# KiCad board homebrew_486.kicad_pcb (continued)
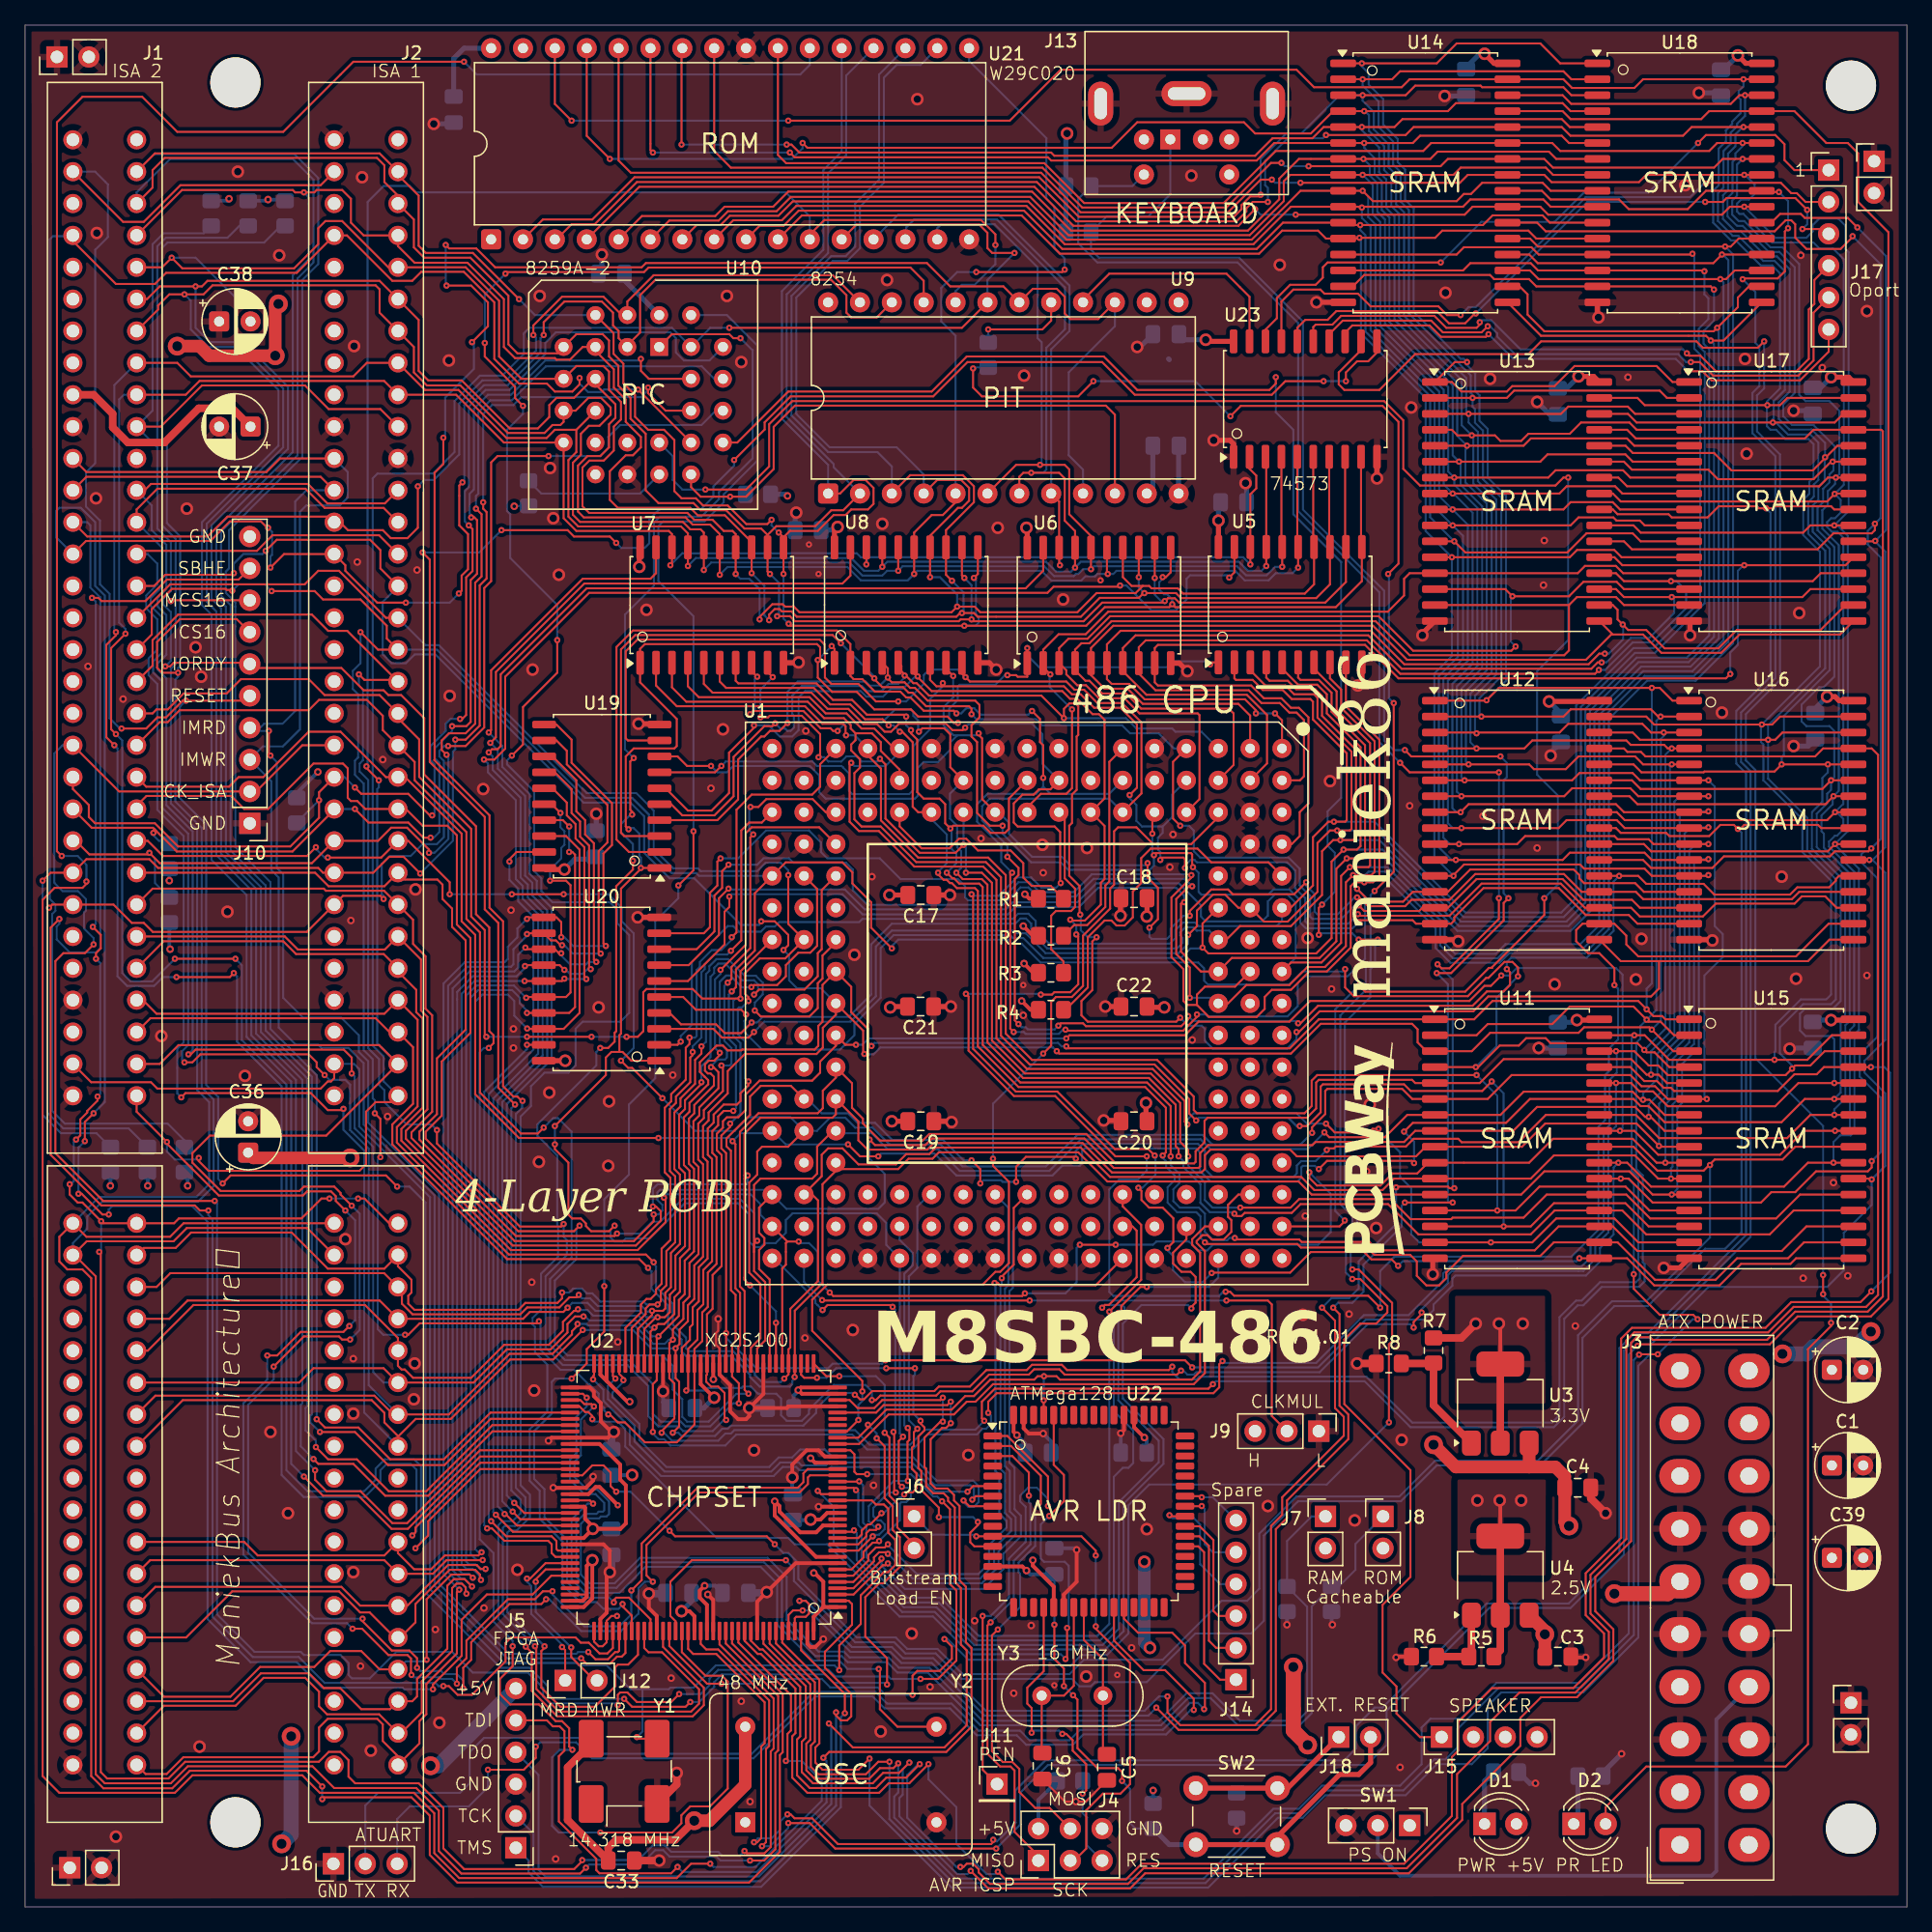
[diagram p0: board, top side]
## Footprints (pads in the part's own frame, mm; a bottom-side part is the same pattern mirrored in y, then rotated) (continued)
LED_D4.0mm
  rect 1.8x1.8 hole 0.9: 1(0,0)
  round 1.8 hole 0.9: 2(2.54,0)
Molex_Mini-Fit_Jr_5566-20A_2x10_P4.20mm_Vertical
  rrect 2.7x3.3 hole 1.4: 1(0,0)
  oval 2.7x3.3 hole 1.4: 2(4.2,0) 3(8.4,0) 4(12.6,0) 5(16.8,0) 6(21,0) 7(25.2,0) 8(29.4,0) 9(33.6,0) 10(37.8,0) 11(0,-5.5) 12(4.2,-5.5) 13(8.4,-5.5) 14(12.6,-5.5) 15(16.8,-5.5) 16(21,-5.5) 17(25.2,-5.5) 18(29.4,-5.5) 19(33.6,-5.5) 20(37.8,-5.5)
MountingHole_4mm
  round 4 hole 4 unplated: (0,0)
Oscillator_DIP-14
  rect 1.6x1.6 hole 0.8: 1(0,0)
  round 1.6 hole 0.8: 7(15.24,0) 8(15.24,7.62) 14(0,7.62)
Oscillator_SMD_SeikoEpson_SG8002CA-4Pin_7.0x5.0mm_HandSoldering
  rrect 1.98x3 smd: 1(-2.63,-2.6) 2(2.63,-2.6) 3(2.63,2.6) 4(-2.63,2.6)
PinHeader_1x01_P2.54mm_Vertical
  rect 1.7x1.7 hole 1: 1(0,0)
PinHeader_1x02_P2.54mm_Vertical
  rect 1.7x1.7 hole 1: 1(0,0)
  round 1.7 hole 1: 2(0,-2.54)
PinHeader_1x03_P2.54mm_Vertical
  rect 1.7x1.7 hole 1: 1(0,0)
  round 1.7 hole 1: 2(0,-2.54) 3(0,-5.08)
PinHeader_1x04_P2.54mm_Vertical
  rect 1.7x1.7 hole 1: 1(0,0)
  round 1.7 hole 1: 2(0,-2.54) 3(0,-5.08) 4(0,-7.62)
PinHeader_1x06_P2.54mm_Vertical
  rect 1.7x1.7 hole 1: 1(0,0)
  round 1.7 hole 1: 2(0,-2.54) 3(0,-5.08) 4(0,-7.62) 5(0,-10.16) 6(0,-12.7)
PinHeader_1x10_P2.54mm_Vertical
  rect 1.7x1.7 hole 1: 1(0,0)
  round 1.7 hole 1: 2(0,-2.54) 3(0,-5.08) 4(0,-7.62) 5(0,-10.16) 6(0,-12.7) 7(0,-15.24) 8(0,-17.78) 9(0,-20.32) 10(0,-22.86)
PinHeader_2x03_P2.54mm_Vertical
  rect 1.7x1.7 hole 1: 1(0,0)
  round 1.7 hole 1: 2(2.54,0) 3(0,-2.54) 4(2.54,-2.54) 5(0,-5.08) 6(2.54,-5.08)
PLCC-28_THT-Socket
  rect 1.422x1.422 hole 0.8: 1(0,0)
  round 1.422 hole 0.8: 2(-2.54,2.54) 3(-2.54,0) 4(-5.08,2.54) 5(-7.62,0) 6(-5.08,0) 7(-7.62,-2.54) 8(-5.08,-2.54) 9(-7.62,-5.08) 10(-5.08,-5.08) 11(-7.62,-7.62) 12(-5.08,-10.16) 13(-5.08,-7.62) 14(-2.54,-10.16) 15(-2.54,-7.62) 16(0,-10.16) 17(0,-7.62) 18(2.54,-10.16) 19(5.08,-7.62) 20(2.54,-7.62) 21(5.08,-5.08) 22(2.54,-5.08) 23(5.08,-2.54) 24(2.54,-2.54) 25(5.08,0) 26(2.54,2.54) 27(2.54,0) 28(0,2.54)
R_0805_2012Metric_Pad1.20x1.40mm_HandSolder
  rrect 1.2x1.4 smd: 1(-1,0) 2(1,0)
SOP-20_7.5x12.8mm_P1.27mm
  rrect 1.9x0.6 smd: 1(-4.6,5.715) 2(-4.6,4.445) 3(-4.6,3.175) 4(-4.6,1.905) 5(-4.6,0.635) 6(-4.6,-0.635) 7(-4.6,-1.905) 8(-4.6,-3.175) 9(-4.6,-4.445) 10(-4.6,-5.715) 11(4.6,-5.715) 12(4.6,-4.445) 13(4.6,-3.175) 14(4.6,-1.905) 15(4.6,-0.635) 16(4.6,0.635) 17(4.6,1.905) 18(4.6,3.175) 19(4.6,4.445) 20(4.6,5.715)
SOP-32_11.305x20.495mm_P1.27mm
  rrect 2.05x0.6 smd: 1(-6.55,9.525) 2(-6.55,8.255) 3(-6.55,6.985) 4(-6.55,5.715) 5(-6.55,4.445) 6(-6.55,3.175) 7(-6.55,1.905) 8(-6.55,0.635) 9(-6.55,-0.635) 10(-6.55,-1.905) 11(-6.55,-3.175) 12(-6.55,-4.445) 13(-6.55,-5.715) 14(-6.55,-6.985) 15(-6.55,-8.255) 16(-6.55,-9.525) 17(6.55,-9.525) 18(6.55,-8.255) 19(6.55,-6.985) 20(6.55,-5.715) 21(6.55,-4.445) 22(6.55,-3.175) 23(6.55,-1.905) 24(6.55,-0.635) 25(6.55,0.635) 26(6.55,1.905) 27(6.55,3.175) 28(6.55,4.445) 29(6.55,5.715) 30(6.55,6.985) 31(6.55,8.255) 32(6.55,9.525)
SOT-223-3_TabPin2
  rrect 2x1.5 smd: 1(-3.15,2.3) 2(-3.15,0) 3(-3.15,-2.3)
  rrect 2x3.8 smd: 2(3.15,0)
SW_PUSH_6mm
  round 2 hole 1.1: 1(0,0) 1(6.5,0) 2(0,-4.5) 2(6.5,-4.5)
TQFP-64_14x14mm_P0.8mm
  rrect 1.475x0.55 smd: 1(-7.662,6) 2(-7.662,5.2) 3(-7.662,4.4) 4(-7.662,3.6) 5(-7.662,2.8) 6(-7.662,2) 7(-7.662,1.2) 8(-7.662,0.4) 9(-7.662,-0.4) 10(-7.662,-1.2) 11(-7.662,-2) 12(-7.662,-2.8) 13(-7.662,-3.6) 14(-7.662,-4.4) 15(-7.662,-5.2) 16(-7.662,-6) 33(7.662,-6) 34(7.662,-5.2) 35(7.662,-4.4) 36(7.662,-3.6) 37(7.662,-2.8) 38(7.662,-2) 39(7.662,-1.2) 40(7.662,-0.4) 41(7.662,0.4) 42(7.662,1.2) 43(7.662,2) 44(7.662,2.8) 45(7.662,3.6) 46(7.662,4.4) 47(7.662,5.2) 48(7.662,6)
  rrect 0.55x1.475 smd: 17(-6,-7.662) 18(-5.2,-7.662) 19(-4.4,-7.662) 20(-3.6,-7.662) 21(-2.8,-7.662) 22(-2,-7.662) 23(-1.2,-7.662) 24(-0.4,-7.662) 25(0.4,-7.662) 26(1.2,-7.662) 27(2,-7.662) 28(2.8,-7.662) 29(3.6,-7.662) 30(4.4,-7.662) 31(5.2,-7.662) 32(6,-7.662) 49(6,7.662) 50(5.2,7.662) 51(4.4,7.662) 52(3.6,7.662) 53(2.8,7.662) 54(2,7.662) 55(1.2,7.662) 56(0.4,7.662) 57(-0.4,7.662) 58(-1.2,7.662) 59(-2,7.662) 60(-2.8,7.662) 61(-3.6,7.662) 62(-4.4,7.662) 63(-5.2,7.662) 64(-6,7.662)
TQFP-144_20x20mm_P0.5mm
  rrect 1.475x0.3 smd: 1(-10.662,8.75) 2(-10.662,8.25) 3(-10.662,7.75) 4(-10.662,7.25) 5(-10.662,6.75) 6(-10.662,6.25) 7(-10.662,5.75) 8(-10.662,5.25) 9(-10.662,4.75) 10(-10.662,4.25) 11(-10.662,3.75) 12(-10.662,3.25) 13(-10.662,2.75) 14(-10.662,2.25) 15(-10.662,1.75) 16(-10.662,1.25) 17(-10.662,0.75) 18(-10.662,0.25) 19(-10.662,-0.25) 20(-10.662,-0.75) 21(-10.662,-1.25) 22(-10.662,-1.75) 23(-10.662,-2.25) 24(-10.662,-2.75) 25(-10.662,-3.25) 26(-10.662,-3.75) 27(-10.662,-4.25) 28(-10.662,-4.75) 29(-10.662,-5.25) 30(-10.662,-5.75) 31(-10.662,-6.25) 32(-10.662,-6.75) 33(-10.662,-7.25) 34(-10.662,-7.75) 35(-10.662,-8.25) 36(-10.662,-8.75) 73(10.662,-8.75) 74(10.662,-8.25) 75(10.662,-7.75) 76(10.662,-7.25) 77(10.662,-6.75) 78(10.662,-6.25) 79(10.662,-5.75) 80(10.662,-5.25) 81(10.662,-4.75) 82(10.662,-4.25) 83(10.662,-3.75) 84(10.662,-3.25) 85(10.662,-2.75) 86(10.662,-2.25) 87(10.662,-1.75) 88(10.662,-1.25) 89(10.662,-0.75) 90(10.662,-0.25) 91(10.662,0.25) 92(10.662,0.75) 93(10.662,1.25) 94(10.662,1.75) 95(10.662,2.25) 96(10.662,2.75) 97(10.662,3.25) 98(10.662,3.75) 99(10.662,4.25) 100(10.662,4.75) 101(10.662,5.25) 102(10.662,5.75) 103(10.662,6.25) 104(10.662,6.75) 105(10.662,7.25) 106(10.662,7.75) 107(10.662,8.25) 108(10.662,8.75)
  rrect 0.3x1.475 smd: 37(-8.75,-10.662) 38(-8.25,-10.662) 39(-7.75,-10.662) 40(-7.25,-10.662) 41(-6.75,-10.662) 42(-6.25,-10.662) 43(-5.75,-10.662) 44(-5.25,-10.662) 45(-4.75,-10.662) 46(-4.25,-10.662) 47(-3.75,-10.662) 48(-3.25,-10.662) 49(-2.75,-10.662) 50(-2.25,-10.662) 51(-1.75,-10.662) 52(-1.25,-10.662) 53(-0.75,-10.662) 54(-0.25,-10.662) 55(0.25,-10.662) 56(0.75,-10.662) 57(1.25,-10.662) 58(1.75,-10.662) 59(2.25,-10.662) 60(2.75,-10.662) 61(3.25,-10.662) 62(3.75,-10.662) 63(4.25,-10.662) 64(4.75,-10.662) 65(5.25,-10.662) 66(5.75,-10.662) 67(6.25,-10.662) 68(6.75,-10.662) 69(7.25,-10.662) 70(7.75,-10.662) 71(8.25,-10.662) 72(8.75,-10.662) 109(8.75,10.662) 110(8.25,10.662) 111(7.75,10.662) 112(7.25,10.662) 113(6.75,10.662) 114(6.25,10.662) 115(5.75,10.662) 116(5.25,10.662) 117(4.75,10.662) 118(4.25,10.662) 119(3.75,10.662) 120(3.25,10.662) 121(2.75,10.662) 122(2.25,10.662) 123(1.75,10.662) 124(1.25,10.662) 125(0.75,10.662) 126(0.25,10.662) 127(-0.25,10.662) 128(-0.75,10.662) 129(-1.25,10.662) 130(-1.75,10.662) 131(-2.25,10.662) 132(-2.75,10.662) 133(-3.25,10.662) 134(-3.75,10.662) 135(-4.25,10.662) 136(-4.75,10.662) 137(-5.25,10.662) 138(-5.75,10.662) 139(-6.25,10.662) 140(-6.75,10.662) 141(-7.25,10.662) 142(-7.75,10.662) 143(-8.25,10.662) 144(-8.75,10.662)

## Nets
+2V5: C1.1 C10.2 C11.2 C12.2 R5.1 U2.9 U2.14 U2.24 U2.55 U2.82 U2.92 U2.97 U2.125 U4.2
+3.3V: C2.1 C13.2 C14.2 C15.2 C16.2 R7.1 U2.1 U2.16 U2.35 U2.36 U2.53 U2.70 U2.71 U2.90 U2.106 U2.107 U2.108 U2.109 U2.111 U2.127 U2.144 U3.2
+5V: C3.1 C4.1 C8.2 C9.2 C17.2 C18.2 C19.2 C20.2 C21.2 C22.2 C23.2 C24.2 C25.2 C26.2 C27.2 C28.2 C29.2 C30.2 C31.2 C32.2 C33.2 C34.2 C35.2 C36.1 C39.1 C40.2 C41.2 C42.2 D1.2 J1.3 J1.19 J1.29 J1.78 J2.3 J2.19 J2.29 J2.78 J3.4 J3.6 J3.19 J3.20 J4.2 J5.6 J7.2 J8.2 J9.3 J13.4 J15.4 R1.1 R2.1 R3.1 R4.1 R9.1 R13.1 R16.1 R17.1 R18.1 R19.1 R20.1 R21.1 R22.2 R23.2 R24.2 R25.2 R26.2 R27.2 R28.1 U1.A15 U1.B7 U1.B9 U1.B11 U1.B17 U1.C4 U1.C5 U1.C15 U1.D15 U1.D17 U1.E2 U1.E16 U1.G2 U1.G16 U1.H15 U1.H16 U1.J1 U1.K2 U1.K16 U1.L16 U1.M2 U1.M16 U1.P16 U1.R3 U1.R6 U1.R8 U1.R9 U1.R10 U1.R11 U1.R14 U3.3 U4.3 U5.20 U6.20 U7.20 U8.20 U9.11 U9.14 U9.24 U10.28 U11.32 U12.32 U13.32 U14.32 U15.32 U16.32 U17.32 U18.32 U19.20 U20.20 U21.31 U21.32 U22.21 U22.52 U22.64 U23.20 Y1.4 Y2.14
+12V: C37.1 J1.9 J2.9 J3.10
-12V: C38.2 J1.7 J2.7 J3.12
GND: C1.2 C2.2 C3.2 C4.2 C5.1 C6.1 C7.2 C8.1 C9.1 C10.1 C11.1 C12.1 C13.1 C14.1 C15.1 C16.1 C17.1 C18.1 C19.1 C20.1 C21.1 C22.1 C23.1 C24.1 C25.1 C26.1 C27.1 C28.1 C29.1 C30.1 C31.1 C32.1 C33.1 C34.1 C35.1 C36.2 C37.2 C38.1 C39.2 C40.1 C41.1 C42.1 J1.1 J1.10 J1.28 J1.31 J1.42 J1.80 J2.1 J2.10 J2.28 J2.31 J2.42 J2.80 J3.3 J3.5 J3.7 J3.13 J3.15 J3.16 J3.17 J4.6 J5.3 J9.1 J10.1 J10.10 J13.3 J13.7 J16.1 J19.1 J19.2 J20.1 J20.2 J21.1 J21.2 J22.1 J22.2 R6.1 R8.1 R11.2 R12.2 R14.2 R15.2 R29.2 SW1.3 U1.A7 U1.A9 U1.A11 U1.A17 U1.B3 U1.B4 U1.B5 U1.E1 U1.E15 U1.E17 U1.G1 U1.G17 U1.H1 U1.H17 U1.K1 U1.K17 U1.L1 U1.L17 U1.M1 U1.M17 U1.P17 U1.Q2 U1.R4 U1.S6 U1.S8 U1.S9 U1.S10 U1.S11 U1.S12 U1.S14 U2.8 U2.17 U2.25 U2.33 U2.45 U2.52 U2.61 U2.73 U2.81 U2.89 U2.98 U2.110 U2.119 U2.128 U2.135 U2.143 U5.10 U6.10 U7.10 U8.10 U9.12 U10.14 U11.16 U12.16 U13.16 U14.16 U15.16 U16.16 U17.16 U18.16 U19.10 U20.10 U21.16 U21.24 U22.22 U22.53 U22.63 U23.1 U23.10 Y1.2 Y2.7
/A0: J1.62 J2.62 U2.23 U9.19 U10.27 U21.12
/A1: J1.61 J2.61 U2.22 U9.20 U21.11
/A2: J1.60 J2.60 U1.Q14 U2.40 U11.12 U12.12 U13.12 U14.12 U15.12 U16.12 U17.12 U18.12 U21.10
/A3: J1.59 J2.59 U1.R15 U2.41 U11.11 U12.11 U13.11 U14.11 U15.11 U16.11 U17.11 U18.11 U21.9
/A4: J1.58 J2.58 U1.S16 U2.42 U11.10 U12.10 U13.10 U14.10 U15.10 U16.10 U17.10 U18.10 U21.8
/A5: J1.57 J2.57 U1.Q12 U2.43 U11.9 U12.9 U13.9 U14.9 U15.9 U16.9 U17.9 U18.9 U21.7
/A6: J1.56 J2.56 U1.S15 U2.44 U11.8 U12.8 U13.8 U14.8 U15.8 U16.8 U17.8 U18.8 U21.6
/A7: J1.55 J2.55 U1.Q13 U2.46 U11.7 U12.7 U13.7 U14.7 U15.7 U16.7 U17.7 U18.7 U21.5
/A8: J1.54 J2.54 U1.R13 U2.47 U11.6 U12.6 U13.6 U14.6 U15.6 U16.6 U17.6 U18.6 U21.27
/A9: J1.53 J2.53 U1.Q11 U2.48 U11.5 U12.5 U13.5 U14.5 U15.5 U16.5 U17.5 U18.5 U21.26
/A10: J1.52 J2.52 U1.S13 U2.49 U11.27 U12.27 U13.27 U14.27 U15.27 U16.27 U17.27 U18.27 U21.23
/A11: J1.51 J2.51 U1.R12 U2.50 U11.26 U12.26 U13.26 U14.26 U15.26 U16.26 U17.26 U18.26 U21.25
/A12: J1.50 J2.50 U1.S7 U2.51 U11.23 U12.23 U13.23 U14.23 U15.23 U16.23 U17.23 U18.23 U21.4
/A13: J1.49 J2.49 U1.Q10 U2.54 U11.25 U12.25 U13.25 U14.25 U15.25 U16.25 U17.25 U18.25 U21.28
/A14: J1.48 J2.48 U1.S5 U2.56 U11.4 U12.4 U13.4 U14.4 U15.4 U16.4 U17.4 U18.4 U21.29
/A15: J1.47 J2.47 U1.R7 U2.57 U11.28 U12.28 U13.28 U14.28 U15.28 U16.28 U17.28 U18.28 U21.3
/A16: J1.46 J2.46 U1.Q9 U2.58 U11.3 U12.3 U13.3 U14.3 U15.3 U16.3 U17.3 U18.3 U21.2
/A17: J1.45 J1.88 J2.45 J2.88 U1.Q3 U2.59 U11.31 U12.31 U13.31 U14.31 U15.31 U16.31 U17.31 U18.31 U21.30
/A18: J1.44 J1.87 J2.44 J2.87 U1.R5 U2.60 U11.2 U12.2 U13.2 U14.2 U15.2 U16.2 U17.2 U18.2
/A19: J1.43 J1.86 J2.43 J2.86 U1.Q4 U2.62 U11.30 U12.30 U13.30 U14.30 U15.30 U16.30 U17.30 U18.30
/A20: J1.85 J2.85 U1.Q8 U2.63 U11.1 U12.1 U13.1 U14.1 U15.1 U16.1 U17.1 U18.1
/A21: J1.84 J2.84 U1.Q5 U2.64
/A22: J1.83 J2.83 U1.Q7 U2.65
/A23: J1.82 J2.82 U1.S3 U2.66
/A24: U1.Q6
/A25: U1.R2
/A26: U1.S2
/A27: U1.S1
/A28: U1.R1
/A29: U1.P2
/A30: U1.P3
/A31: U1.Q1 U2.67
/AVR/AVR_MISO: J4.1 U22.3
/AVR/AVR_MOSI: J4.4 U22.2
/AVR/AVR_SCK: J4.3 J6.1 U22.11
/AVR/FPGA_CCLK: J6.2 U2.37
/AVR/FPGA_DIN: U2.39 U22.12
/AVR/FPGA_DONE: U2.72 U22.6
/AVR/FPGA_REQ_RESET: U2.76 U22.60
/AVR/RESET_BTN: C7.1 J18.2 R13.2 SW2.2 U22.14
/AVR/RXD: J16.3 U22.27
/AVR/TXD: J16.2 U22.28
/AVR/XTAL1: C5.2 U22.24 Y3.1
/AVR/XTAL2: C6.2 U22.23 Y3.2
/AVR/~{AVR_PEN}: J11.1 U22.1
/AVR/~{AVR_RESET}: J4.5 R9.2 U22.20
/AVR/~{FPGA_INIT}: U2.68 U22.8
/AVR/~{FPGA_PROG}: U2.69 U22.7
/Bus transceivers/~{W/R}: U1.N17 U2.7 U5.1 U6.1 U7.1 U8.1 U19.1 U20.1
/CLK_PIT: U2.117 U9.9 U9.15 U9.18
/CPU/CLKMUL: J9.2 U1.R17
/CPU/CPU_CLK: U1.C3 U2.29
/CPU/NMI: U1.B15 U2.27
/CPU/~{ADS}: U1.S17 U2.10
/CPU/~{BE0}: U1.K15 U2.3
/CPU/~{BE1}: U1.J16 U2.4
/CPU/~{BE2}: U1.J15 U2.5
/CPU/~{BE3}: U1.F17 U2.6
/CPU/~{BS8}: U1.D16 U2.19
/CPU/~{BS16}: U1.C17 U2.20
/CPU/~{D/C}: U1.M15 U2.12
/CPU/~{KEN}: U1.F15 U2.21
/CPU/~{M/IO}: U1.N16 U2.11
/CPU/~{RDY}: U1.F16 U2.13
/CPU_RESET: J1.2 J2.2 J10.5 U1.C16 U2.28 U22.61
/D0: U1.P1 U7.2 U11.13 U15.13
/D1: U1.N2 U7.3 U11.14 U15.14
/D2: U1.N1 U7.4 U11.15 U15.15
/D3: U1.H2 U7.5 U11.17 U15.17
/D4: U1.M3 U7.6 U11.18 U15.18
/D5: U1.J2 U7.7 U11.19 U15.19
/D6: U1.L2 U7.8 U11.20 U15.20
/D7: U1.L3 U7.9 U11.21 U15.21
/D8: U1.F2 U8.2 U12.13 U16.13 U19.2
/D9: U1.D1 U8.3 U12.14 U16.14 U19.3
/D10: U1.E3 U8.4 U12.15 U16.15 U19.4
/D11: U1.C1 U8.5 U12.17 U16.17 U19.5
/D12: U1.G3 U8.6 U12.18 U16.18 U19.6
/D13: U1.D2 U8.7 U12.19 U16.19 U19.7
/D14: U1.K3 U8.8 U12.20 U16.20 U19.8
/D15: U1.F3 U8.9 U12.21 U16.21 U19.9
/D16: U1.J3 U6.2 U13.13 U17.13
/D17: U1.D3 U6.3 U13.14 U17.14
/D18: U1.C2 U6.4 U13.15 U17.15
/D19: U1.B1 U6.5 U13.17 U17.17
/D20: U1.A1 U6.6 U13.18 U17.18
/D21: U1.B2 U6.7 U13.19 U17.19
/D22: U1.A2 U6.8 U13.20 U17.20
/D23: U1.A4 U6.9 U13.21 U17.21
/D24: U1.A6 U5.2 U14.13 U18.13 U20.2
/D25: U1.B6 U5.3 U14.14 U18.14 U20.3
/D26: U1.C7 U5.4 U14.15 U18.15 U20.4
/D27: U1.C6 U5.5 U14.17 U18.17 U20.5
/D28: U1.C8 U5.6 U14.18 U18.18 U20.6
/D29: U1.A8 U5.7 U14.19 U18.19 U20.7
/D30: U1.C9 U5.8 U14.20 U18.20 U20.8
/D31: U1.B8 U5.9 U14.21 U18.21 U20.9
/DT0: J1.40 J2.40 U2.86 U5.18 U6.18 U7.18 U8.18 U9.8 U10.11 U21.13 U23.2
/DT1: J1.39 J2.39 U2.85 U5.17 U6.17 U7.17 U8.17 U9.7 U10.10 U21.14 U23.3
/DT2: J1.38 J2.38 U2.84 U5.16 U6.16 U7.16 U8.16 U9.6 U10.9 U21.15 U23.4
/DT3: J1.37 J2.37 U2.83 U5.15 U6.15 U7.15 U8.15 U9.5 U10.8 U21.17 U23.5
/DT4: J1.36 J2.36 U2.80 U5.14 U6.14 U7.14 U8.14 U9.4 U10.7 U21.18 U23.6
/DT5: J1.35 J2.35 U2.79 U5.13 U6.13 U7.13 U8.13 U9.3 U10.6 U21.19 U23.7
/DT6: J1.34 J2.34 U2.78 U5.12 U6.12 U7.12 U8.12 U9.2 U10.5 U21.20 U23.8
/DT7: J1.33 J2.33 U2.77 U5.11 U6.11 U7.11 U8.11 U9.1 U10.4 U21.21 U23.9
/DT8: J1.91 J2.91 U19.18 U20.18
/DT9: J1.92 J2.92 U19.17 U20.17
/DT10: J1.93 J2.93 U19.16 U20.16
/DT11: J1.94 J2.94 U19.15 U20.15
/DT12: J1.95 J2.95 U19.14 U20.14
/DT13: J1.96 J2.96 U19.13 U20.13
/DT14: J1.97 J2.97 U19.12 U20.12
/DT15: J1.98 J2.98 U19.11 U20.11
/FPGA/CLK14: J1.30 J2.30 U2.18 Y1.3
/FPGA/CLK_FPGA: U2.91 Y2.8
/FPGA/CLK_ISA: J1.20 J2.20 J10.2 U2.26
/FPGA/ISA_IO_READY: J1.41 J2.41 J10.6 R16.2 U2.123
/FPGA/ISA_SBHE: J1.81 J2.81 J10.9 U2.129
/FPGA/PS2_CLK: J13.5 R28.2 U2.141
/FPGA/PS2_DATA: J13.1 R27.1 U2.140
/FPGA/RAM_CACHE_EN: J7.1 R12.1 U2.75
/FPGA/ROM_CACHE_EN: J8.1 R11.1 U2.74
/FPGA/TCK: J5.2 U2.2
/FPGA/TDI: J5.5 U2.32
/FPGA/TDO: J5.4 U2.34
/FPGA/TMS: J5.1 U2.142
/FPGA/~{IO_RD}: J1.14 J2.14 U2.103 U9.22 U10.3
/FPGA/~{IO_WR}: J1.13 J2.13 U2.112 U9.23 U10.2
/FPGA/~{ISA_IOCS16}: J1.64 J2.64 J10.7 R18.2 U2.130
/FPGA/~{ISA_MEM_RD}: J1.12 J2.12 J10.4 U2.113
/FPGA/~{ISA_MEM_WR}: J1.11 J2.11 J10.3 U2.114
/FPGA/~{ISA_MEMCS16}: J1.63 J2.63 J10.8 R17.2 U2.131
/FPGA/~{MEM_RD}: J12.1 U2.101
/FPGA/~{MEM_WR}: J12.2 U2.102
/FPGA/~{RAM_OE_B0}: U2.87 U11.24 U15.24
/FPGA/~{RAM_OE_B1}: U2.122 U12.24 U16.24
/FPGA/~{RAM_OE_B2}: U2.124 U13.24 U17.24
/FPGA/~{RAM_OE_B3}: U2.126 U14.24 U18.24
/FPGA/~{RAM_WE_B0}: U2.133 U11.29 U15.29
/FPGA/~{RAM_WE_B1}: U2.134 U12.29 U16.29
/FPGA/~{RAM_WE_B2}: U2.136 U13.29 U17.29
/FPGA/~{RAM_WE_B3}: U2.137 U14.29 U18.29
/INTR: U1.A16 U10.17
/ISA/IRQ2: J1.4 J2.4 R25.1 U10.20
/ISA/IRQ3: J1.25 J2.25 R24.1 U10.21
/ISA/IRQ4: J1.24 J2.24 R23.1 U10.22
/ISA/IRQ5: J1.23 J2.23 R21.2 U10.23
/ISA/IRQ6: J1.22 J2.22 R20.2 U10.24
/ISA/IRQ7: J1.21 J2.21 R19.2 U10.25
/KB_INT: U2.121 U10.19
/PIC, PIT/D7_LED: D2.2 U23.12
/PIC, PIT/IRQ0: R22.1 U9.10 U10.18
/PIC, PIT/PC_SPK: R10.1 U9.17
/PIC, PIT/SPK_GATE: U9.16 U23.19
/PIT_LATCH_LE: U2.120 U23.11
/TR_8B_0: U2.93 U7.19
/TR_8B_1: U2.94 U8.19
/TR_8B_2: U2.95 U6.19
/TR_8B_3: U2.96 U5.19
/TR_16B_0: U2.99 U19.19
/TR_16B_3: U2.100 U20.19
/~{PIC_CS}: U2.115 U10.1
/~{PIC_INTA}: U2.118 U10.26
/~{PIT_CS}: U2.116 U9.21
/~{RAM_CS0}: U2.138 U11.22 U12.22 U13.22 U14.22
/~{RAM_CS1}: U2.139 U15.22 U16.22 U17.22 U18.22
/~{ROM_OE}: U2.132 U21.22
Net-(D1-K): D1.1 R14.1
Net-(D2-K): D2.1 R15.1
Net-(J3-PS_ON#): J3.14 SW1.2
Net-(J14-Pin_1): J14.1 U22.37
Net-(J14-Pin_2): J14.2 U22.38
Net-(J14-Pin_3): J14.3 U22.39
Net-(J14-Pin_4): J14.4 U22.40
Net-(J14-Pin_5): J14.5 U22.41
Net-(J14-Pin_6): J14.6 U22.42
Net-(J15-Pin_1): J15.1 R10.2
Net-(J17-Pin_1): J17.1 U23.18
Net-(J17-Pin_2): J17.2 U23.17
Net-(J17-Pin_3): J17.3 U23.16
Net-(J17-Pin_4): J17.4 U23.15
Net-(J17-Pin_5): J17.5 U23.14
Net-(J17-Pin_6): J17.6 U23.13
Net-(J18-Pin_1): J18.1 R29.1 SW2.1
Net-(U1-DP0): R1.2 U1.N3
Net-(U1-DP1): R2.2 U1.F1
Net-(U1-DP2): R3.2 U1.H3
Net-(U1-DP3): R4.2 U1.A5
Net-(U3-ADJ): R7.2 R8.2 U3.1
Net-(U4-ADJ): R5.2 R6.2 U4.1
Net-(U10-~{SP}/~{EN}): R26.1 U10.16

Pads without a net: J1 5 6 8 15 16 17 18 26 27 32 65 66 67 68 69 70 71 72 73 74 75 76 77 79 89 90; J2 5 6 8 15 16 17 18 26 27 32 65 66 67 68 69 70 71 72 73 74 75 76 77 79 89 90; J3 1 2 8 9 11 18; J13 2 6; J15 2 3; SW1 1; U1 A3 A10 A12 A13 A14 B10 B12 B13 B14 B16 C10 C11 C12 C13 C14 G15 J17 L15 N15 P15 Q15 Q16 Q17 R16 S4; U2 15 30 31 38 88 104 105; U9 13; U10 12 13 15; U21 1; U22 4 5 9 10 13 15 16 17 18 19 25 26 29 30 31 32 33 34 35 36 43 44 45 46 47 48 49 50 51 54 55 56 57 58 59 62; Y1 1; Y2 1

## Via types
v1: diameter 1, hole 0.6, Top to Bottom, 166 vias
v2: diameter 0.6, hole 0.3, Top to Bottom, 99 vias
v3: diameter 0.5, hole 0.2, Top to Bottom, 869 vias
v4: diameter 1.5, hole 0.8, Top to Bottom, 16 vias

## Routing (per net, layer and track width the routed paths; a pad name or vN(x,y) marks a point on that pad's centre or on a via; arc(x,y) is an arc through that point)
+2V5: length 215.3
  Top w0.3: v1(45.25,30.13) 45.25,30.32 44.64,30.94 44.64,31.83 44.56,31.9 U2.92 ; v1(45.25,30.13) 47.41,30.13 47.43,30.11 47.89,30.56 47.89,33.6 47.43,34.06 47.43,35.26 45.79,36.9 U2.82 ; v1(45.25,30.13) 44.52,29.4 U2.97 ; v2(62.61,35.76) 62.97,35.4 U2.24 ; U2.9 63.04,27.9 59.75,31.19 v2(59.75,32.33) 60.13,31.95 60.13,31.51 61.79,29.86 63.06,29.86 63.59,30.39 63.59,30.4 U2.14 ; U2.125 53.35,23.18 52.96,23.57 v1(52.32,23.57) ; U4.2 117.59,32.35 v1(117.54,32.4) ; U2.55 53.85,41.67 v1(54.93,40.59)
  Top w0.6: U4.2 U4.2 117.59,20.46 R5.1
  In1.Cu w1: 57.72,32.33 v2(59.75,32.33) ; 57.72,32.33 53.4,32.33 ; 57.72,32.33 57.72,33.29 60.45,36.02 62.36,36.02 v2(62.61,35.76) ; v1(54.93,40.59) 53.4,39.07 53.4,32.33 ; v1(45.25,30.13) 49.25,30.13 52.32,27.06 ; 53.4,32.33 52.32,31.26 52.32,27.06 ; C1.1 141.73,37.48 141.73,44.59 140.56,45.76 126.84,45.76 126.37,45.29 126.37,38.24 120.52,32.4 v1(119.25,32.4) v1(117.54,32.4) v1(115.76,32.4) 112.27,32.4 111.25,33.41 96.52,33.41 94.61,31.51 ; 52.32,27.06 v1(52.32,23.57) 53.91,21.98 61.98,21.98 64.58,24.59 91.57,24.59 93.85,26.87 93.85,30.74 94.62,31.51
  Bottom w0.4: C10.2 53.13,24.38 v1(52.32,23.57) ; v1(54.93,40.59) 54.1,39.76 C12.2 ; C11.2 v1(45.25,30.13)
+3.3V: length 262.2
  Top w0.16: 47.24,23.19 v3(47.18,23.19) 46.74,23.19 46.35,22.81 U2.111 46.35,21.09 46.04,20.78 45.72,20.78 45.35,21.15 U2.109 ; 44.77,24.91 44.76,24.9 U2.106
  Top w0.3: v3(47.24,32.02) 45.78,33.48 45.48,33.48 44.9,32.9 U2.90 ; v2(54.17,25.6) 53.78,25.22 53.78,24.65 54.35,24.07 U2.127 ; U2.35 61.92,40.9 v2(61.63,41.19) 61.84,41.4 U2.36 ; v2(48.2,40.27) 48.01,40.27 46.35,41.93 ; v1(62.61,30.87) 63.4,30.87 63.92,31.4 U2.16 ; 46.35,41.93 45.85,42.43 U2.71 ; 46.35,41.93 U2.70 ; 63.63,23.9 U2.1 ; 63.63,23.9 63.63,25.92 62.93,26.62 v2(62.86,26.62) ; 63.63,23.9 62.85,23.13 U2.144 ; U2.107 44.45,24.4 44.77,24.71 44.77,27.19 v1(45.21,27.64) 45.21,24.59 44.53,23.9 U2.108 ; U3.2 117.59,46.38 v1(117.47,46.5) ; U2.53 54.85,42.17 54.8,42.11
  Top w0.6: R7.1 114.49,45.35 v1(115.63,46.5) ; U3.2 U3.2
  In1.Cu w0.3: 68.59,25.79 68.34,25.54 61.79,25.54 61.34,25.98 58.74,25.98 58.36,25.6 v2(54.17,25.6)
  In1.Cu w0.4: v3(47.18,23.19) 46.69,23.19 45.63,24.25 44.21,24.25 43.5,24.97 43.5,28.27 ; v2(62.86,26.62) 64.58,28.33 65.15,28.33
  In1.Cu w1: 48.13,36.14 48.13,34.68 v1(48.39,34.43) ; 48.13,36.14 46.93,36.14 45.91,37.16 44.13,37.16 43.5,36.53 43.5,28.27 44.13,27.64 v1(45.21,27.64) ; 48.13,36.14 48.13,41.03 49.47,42.37 57.85,42.37 58.8,41.42 58.8,40.78 60.07,39.51 61.59,39.51 ; v3(47.24,32.02) 48.83,32.02 49.47,32.65 49.47,33.16 48.13,34.49 ; 124.59,47.89 120.78,47.89 v1(119.38,46.5) v1(117.47,46.5) v1(115.63,46.5) ; 124.59,47.89 140.65,47.89 144.02,44.53 C2.1 ; 124.59,47.89 124.59,38.94 121.28,35.64 113.22,35.64 112.27,34.68 93.98,34.68 92.58,33.29 92.58,28.33 90.04,25.79 68.59,25.79 66.93,27.45 66.04,27.45 65.15,28.33 65.15,30.87 ; 65.15,30.87 65.15,37.67 63.31,39.51 61.59,39.51 ; 65.15,30.87 v1(62.61,30.87) ; 61.59,39.51 61.63,39.54 v2(61.63,41.19)
  Bottom w0.3: 61.59,41.1 61.26,40.76 C16.2 ; v1(48.39,34.43) 48.37,34.41 C14.2 ; C15.2 62.57,30.83 v1(62.61,30.87) ; v2(54.17,25.6) 55.01,25.6 C13.2
  vias: v2(54.86,42.05)
+5V: length 240.9
  Top w0.3: v2(79.44,72.21) 80.14,71.51 R4.1 ; U22.21 81.99,25.53 80.33,27.19 v2(80.33,27.64) ; R1.1 80.05,80.36 v2(79.69,80.72) ; v2(79.06,37.61) 78.79,37.87 U22.64 ; v2(79.63,75.2) 80.36,74.46 R3.1 ; v2(89.22,37.41) 88.39,38.24 U22.52 ; v2(79.57,78.18) 80.33,77.41 R2.1
  Top w0.4: v1(79.82,109.93) 79.88,109.87 U6.20 ; v1(121.48,96.09) 125.41,96.09 U12.32 ; U15.32 145.68,70.69 v1(143.95,70.69) ; U16.32 144.59,96.15 144.27,96.47 v1(143.64,96.47) ; U11.32 125.41,70.69 v1(123.7,70.69) ; C22.2 89.49,71.7 v1(90.8,71.7) ; v1(89.41,78.94) 89.43,78.97 C18.2 ; U5.20 v1(95.12,110.5) ; v1(64.77,110) 64.52,109.74 U8.20 ; U17.32 145.36,121.93 v1(143.95,121.93) ; v1(48.96,106.82) 48.96,108.31 U7.20 ; v1(89.34,64.08) 89.34,62.71 C20.2 ; C21.2 69.02,71.77 v1(68.96,71.7) ; v1(136.53,147.59) 137.16,146.95 U18.32 ; U13.32 125.03,122 v1(123.82,122) ; U14.32 117.09,146.95 v1(116.33,147.71) ; U19.20 41.5,82.69 v1(42.99,82.69) ; C17.2 v1(68.9,80.66) ; v1(94.11,124.92) 94.23,124.79 U23.20 ; v1(69.09,62.62) C19.2 ; v1(43.05,67.45) U20.20
  Top w0.6: v4(53.34,6.87) 51.82,5.35 47.12,5.35 46.48,4.71 C33.2 43.24,6.93 43.24,11.13 45.12,13 Y1.4
  Top w1: v4(112.27,36.84) 114.05,35.07 119.89,35.07 ; U4.3 121.14,22.01 v4(121.14,21.73) C3.1 ; v4(25.91,59.7) 18.2,59.7 C36.1 ; v4(123.06,30.37) 122.72,30.71 C4.1 122.72,34.32 121.98,35.07 119.89,35.07 ; 119.89,35.07 U3.3 ; Y2.14 57.4,9.73 54.55,6.87 v4(53.34,6.87) ; v4(12.13,124.41) 13.91,124.41 14.67,123.65 v4(19.94,123.65) 19.94,127.52 v4(20.19,127.78)
  Top w1.2: v4(126.68,24.97) 130.93,24.97 J3.6 ; v4(102.23,12.9) 101.09,14.05 v4(101.09,19.13)
  Bottom w0.16: v2(38.99,111.65) 39.02,111.68 R26.2
  Bottom w0.3: v2(79.06,37.61) 79.71,36.95 C8.2 ; C9.2 89.41,37.22 v2(89.22,37.41) ; R17.1 19.27,136 v2(19.37,136.09) 20.63,136.09 R18.1 ; R23.2 6.8,57.49 v2(6.79,57.48) ; v2(9.78,57.48) 9.78,58.53 R24.2 ; R20.1 v2(11.49,81.8) ; R25.2 12.95,58.31 v2(12.95,57.48) ; J4.2 80.77,8.52 R9.1 ; R21.1 11.49,76.4 v2(11.56,76.34) ; 23.37,90.5 v2(23.34,90.47) 21.65,88.79 R19.1 ; v2(89.92,9.28) R13.1 ; R16.1 16.1,136 v2(16.26,136.16)
  Bottom w0.4: C28.2 135.38,146.44 v1(136.53,147.59) ; C34.2 92.41,124.92 v1(94.11,124.92) ; C30.2 114.86,146.62 115.95,147.71 v1(116.33,147.71) ; v1(83.06,141.36) 82.96,141.27 R28.1 R27.2 ; C40.2 95.12,111.79 v1(95.12,110.5) ; U9.11 89.89,113.15 C35.2 ; v1(42.99,82.69) 43.81,83.52 45.28,83.52 C42.2 ; C23.2 123.53,70.52 v1(123.7,70.69) ; R22.2 60.64,112.6 v2(60.77,112.47) ; v1(143.95,121.93) 143.11,121.09 C27.2 ; C26.2 142.69,95.52 v1(143.64,96.47) ; v1(121.48,96.09) 122.43,95.14 C24.2 ; C29.2 122.87,121.04 v1(123.82,122) ; v1(143.95,70.69) 142.64,70.69 C25.2 ; C41.2 64.52,109.74 v1(64.77,110) ; C32.2 47.77,129.66 U10.28 ; C31.2 34.16,147.33 34.99,148.16 U21.32
  Bottom w1: v1(89.66,20.65) 89.22,21.1 v1(89.22,27.51)
  Bottom w1.2: v4(140.08,44.08) 141.99,44.08 142.56,44.65 145.92,44.65 v4(147.13,45.86) ; v4(21.21,13.6) 21.21,5.79 v4(20.45,5.03) ; v4(32.32,11.25) 32.96,11.25 J5.6
+12V: length 298.9
  Top w0.6: J1.9 5.46,120.54 6.98,119.01 6.98,117.93 8.19,116.73 11.11,116.73 13.84,119.46 16.51,119.46 17.97,118 C37.1
  In1.Cu w0.6: C37.1 20.51,120.54 J2.9
  In1.Cu w1.2: C37.1 20.96,118 22.13,116.82 22.13,63.54 23.18,62.5 23.18,56.59 18.03,51.45 18.03,13.79 22.45,9.38 22.45,8.36 23.5,7.32 33.02,7.32 34.54,8.84 34.54,14.87 36.04,16.37 36.04,21.7 37.59,23.25 45.21,23.25 50.29,18.17 50.29,17.29 55.69,11.89 58.55,11.89 60.13,10.3 72.64,10.3 74.93,12.59 89.92,12.59 91.69,14.36 98.3,14.36 101.22,17.29 125.79,17.29 128.46,19.95 128.46,33.99 127.76,34.68 127.76,40.53 129.98,42.75 J3.10
-12V: length 299.3
  In1.Cu w0.6: J1.7 5.09,126.89 11.99,126.89 13.97,124.92 16.51,124.92 C38.2 18.73,125.62 J2.7
  In1.Cu w1: J3.12 135.69,9.15 133.54,7 130.49,7 121.89,15.6 101.7,15.6 98.55,12.46 92.14,12.46 90.97,11.29 82.46,11.29 79.06,7.89 75.06,7.89 74.04,8.9 59.25,8.9 57.66,10.49 54.36,10.49 48.83,16.02 48.83,17.73 44.83,21.73 38.42,21.73 37.34,20.65 37.34,15.44 35.84,13.95 35.84,7.54 34.01,5.7 22.51,5.7 16.7,11.51 16.7,52.15 21.88,57.32 21.88,61.29 20.83,62.34 20.83,114.5 19.56,115.77 14.61,115.77 13.46,116.92 13.46,119.9 17.97,124.41 C38.2
GND: length 188.6
  Top w0.16: U2.52 55.35,44.53 55.07,44.81 55.07,45.74 55.24,45.92 v2(55.24,46.88) ; C5.1 84.54,8.4 v2(83.76,8.4) 82.89,8.4 C6.1
  Top w0.3: v1(57.72,39.76) 57.72,39.13 57.47,38.88 56.83,38.88 56.2,39.51 56.2,41.59 55.35,42.43 U2.52 ; v1(57.72,39.76) 58.85,40.89 U2.45 ; v1(57.72,39.76) 60.71,39.76 60.84,39.9 U2.33 ; 50.85,41.02 v1(50.85,41.1) U2.61 ; v2(83.82,28.46) 83.82,25.92 82.79,24.89 U22.22 ; U2.73 45.02,41.4 45.34,41.08 45.34,40.72 45.89,40.17 45.89,38.71 46.74,37.86 v1(46.93,37.86) 46.47,37.4 U2.81 41.96,37.4 v2(41.72,37.16) ; v2(42.1,33.41) 42.11,33.4 U2.89 44.7,33.4 45.28,33.98 v2(45.28,34.3) ; v2(81.15,37.73) 80.01,37.73 79.59,38.15 U22.63 ; U2.25 63.74,35.9 63.25,36.4 62.29,36.4 61.15,35.26 v1(61.15,34.24) ; v2(124.4,19.89) 123.28,19.89 C3.2 ; v2(109.28,19.89) 109.35,19.95 R6.1 ; U2.98 46.1,28.9 46.61,28.4 v1(46.61,26.68) 46.35,26.43 46.35,23.44 45.85,22.94 U2.110 ; U22.53 87.59,38.01 v2(87.33,37.75) ; v1(49.72,24.97) 49.72,23.83 50.35,23.19 U2.119 ; U2.135 58.35,24.33 v1(59.12,25.1) 61.42,27.4 U2.8 ; U2.143 62.35,20.97 62.61,20.71 62.99,20.71 v2(63.63,21.35) ; v2(63.25,31.9) U2.17 ; v2(54.42,24.91) 54.85,24.47 U2.128
  Top w0.4: v1(134.49,77.04) 134.43,77.1 U16.16 ; U7.10 61.63,99.17 v1(61.66,99.2) ; v1(85.98,62.69) 87.29,62.69 C20.1 ; v1(106.24,97.36) 106.55,97.68 U5.10 ; U15.16 131.88,50.94 v1(130.62,50.94) ; U23.1 96.33,116.61 96.04,116.9 v1(94.74,116.9) ; v1(48.89,94.31) 50.51,94.31 U19.10 ; v1(114.24,76.98) 114.11,77.1 U12.16 ; v1(112.2,50.43) 112.2,51.53 U11.16 ; U6.10 92,99.14 v1(92.65,98.5) ; C19.1 73.79,62.62 v1(73.85,62.56) ; v1(48.83,78.88) U20.10 ; v1(132.72,101.36) 132.72,102.43 U17.16 ; 87.31,78.82 87.35,78.86 ; v1(125.41,126.7) 125.33,126.78 U18.16 ; U13.16 111.38,101.51 v1(111.38,101.36) ; v1(87.31,79.01) 87.31,80.36 C18.1 ; U8.10 76.86,99.17 v1(77.41,98.63) ; v1(73.72,80.66) C17.1 ; C22.1 v1(86.11,71.77) ; U14.16 v1(102.93,127.9) ; U23.10 v1(107.76,113.87) ; C21.1 v1(73.79,71.77)
  Top w0.6: R8.1 v1(106.17,43.32) ; v1(51.94,10.68) 51.94,9.77 Y1.2 ; v1(50.55,3.7) 48.56,3.7 ; v1(125.98,31.38) 124.8,32.57 C4.2
  Bottom w0.3: v2(100.58,22.49) R12.2 ; R11.2 104.14,22.56 v2(104.2,22.49) ; v2(81.15,37.73) 81.79,37.1 C8.1 ; C7.2 83.69,28.59 v2(83.82,28.46) ; C9.1 v2(87.33,37.75) ; C12.1 50.85,40.22 v1(50.85,41.1) ; v1(61.15,34.24) 61.15,32.97 C15.1 ; 61.21,34.43 61.15,34.49
  Bottom w0.4: v1(120.65,68.47) 120.67,68.44 C23.1 ; v1(140.97,119.27) 142.24,119.27 C27.1 ; v1(45.97,131.71) 45.97,130.46 C32.1 ; v1(120.52,119.96) 121.52,118.97 C29.1 ; v1(32.58,142.13) 34.06,142.13 C31.1 ; v2(127.25,12.21) 125.78,10.73 R15.2 ; C41.1 61.38,111.05 v1(61.47,111.14) ; U9.12 91.95,116.45 C35.1 ; v1(140.97,92.53) 142.14,92.53 C26.1 ; v1(97.28,113.49) 97.37,113.4 C40.1 ; C25.1 140.72,68.47 v1(140.65,68.4) ; C30.1 114.8,144.35 v1(113.16,144.35) ; v2(120.4,9.86) 119.94,9.86 R14.2 ; v1(88.65,124.35) 88.88,124.35 C34.1 ; C24.1 121.6,92.02 v1(121.6,91.77) ; v1(45.53,87.14) 45.53,85.84 C42.1 ; C28.1 134.95,144.6 v1(133.41,144.6) ; 45.7,131.75 45.72,131.78 ; R29.2 v2(96.57,6.06) ; 91.14,123.39 91.21,123.33
  Bottom w0.6: v1(46.61,26.68) 46.74,26.81 C11.1 ; C13.1 59.05,25.03 v1(59.12,25.1) ; C14.1 46.74,37.67 v1(46.93,37.86) ; C10.1 50.99,24.97 v1(49.72,24.97) ; C16.1 v1(57.72,39.76)
  vias: v1(5.65,112.28) v1(5.71,133.43) v1(7.24,5.6) v1(10.86,69.42) v1(12.89,111.46) v1(13.59,100.41) v1(13.91,12.78) v1(14.03,98.06) v1(16.13,79.32) v1(16.95,138.32) v1(17.53,66.24) v1(19.56,37.86) v1(20.26,131.65) v1(20.96,31.38) v1(25.53,53.23) v1(26.23,124.41) v1(26.16,39.32) v1(26.16,26.68) v1(26.86,137.87) v1(27.56,12.46) v1(31.05,43.32) v1(30.99,40.46) v1(31.11,81.1) v1(33.02,14.68) v1(33.78,123.27) v1(33.85,96.53) v1(36.51,89.1) v1(39.24,26.87) v1(40.45,98.63) v1(40.58,41.16) v1(40.96,59.39) v1(41.02,128.41) v1(41.85,114.69) v1(41.78,64.91) v1(42.1,110.69) v1(42.55,106.19) v1(45.72,71.7) v1(46.55,64.21) v1(46.48,59.07) v1(49.53,103.39) v1(55.63,93.87) v1(55.94,128.41) v1(57.09,123.14) v1(58.1,36.4) v1(65.98,45.99) v1(66.1,75.9) v1(68.2,13.98) v1(68.33,110.25) v1(68.71,129.68) v1(70.68,21.79) v1(71.12,144.09) v1(75.18,36.02) v1(77.53,109.93) v1(79.63,122.06) v1(81.09,84.66) v1(82.74,104.22) v1(84.65,84.4) v1(84.58,18.36) v1(89.41,30.11) v1(92.96,138) v1(99.06,31.95) v1(100.01,130.89) v1(101.85,47.19) v1(102.23,77.23) v1(104.01,89.74) v1(105.98,30.81) v1(107.19,63.96) v1(107.7,54.12) v1(109.73,37.22) v1(110.49,119.52) v1(113.22,128.66) v1(116.78,121.81) v1(121.92,73.55) v1(128.4,73.93) v1(128.84,77.17) v1(132.33,137.24) v1(135.25,95.2) v1(137.1,123.39) v1(137.22,115.84) v1(140.02,82.12) v1(141.16,73.99) v1(141.41,103.14) v1(146.81,127.2) v2(5.02,98.88) v2(7.81,96.28) v2(25.97,78.63) v2(26.16,43.7) v2(26.48,107.2) v2(26.73,19.19) v2(28.51,91.45) v2(28.89,63.01) v2(31.24,106.57) v2(32.7,22.11) v2(36.58,23.83) v2(38.73,79.45) v2(38.93,69.99) v2(38.93,68.47) v2(40.39,49.8) v2(42.29,3.82) v2(47.24,45.03) v2(51.5,18.24) v2(51.63,66.31) v2(54.67,89.17) v2(57.09,16.4) v2(57.78,8.4) v2(62.23,93.74) v2(62.17,45.35) v2(67.5,82.12) v2(67.63,33.6) v2(72.14,17.54) v2(75.69,22.81) v2(76.2,85.17) v2(78.8,17.03) v2(79.57,71.07) v2(80.2,22.43) v2(81.15,82.44) v2(88.2,20.65) v2(91.25,82.88) v2(91.5,85.48) v2(93.03,69.1) v2(102.04,55.07) v2(104.14,73.17) v2(105.54,47.26) v2(106.93,58.62) v2(109.6,11.13) v2(110.36,87.77) v2(116.2,86.94) v2(120.52,84.4) v2(121.03,105.36) v2(121.09,108.92) v2(123.57,46.3) v2(127.76,121.93) v2(141.54,131.65) v2(141.73,50.11) v2(143.26,122.7) v2(144.15,57.73) v2(145.29,50.31) v2(146.81,74.24) v3(62.48,108.6) v3(63.25,106.25) v3(79.57,73.48) v3(82.04,17.67) v3(85.72,105.74) v3(87.06,18.49)
/A0: length 277.9
  Top w0.16: v3(34.42,17.79) 34.42,19.06 35.18,19.83 35.18,21.22 38.48,24.52 40.64,24.52 41.28,25.16 v3(42.04,25.16) ; 48.26,25.16 v3(48.32,25.22) 49.15,26.05 49.15,28.97 53.59,33.41 61.59,33.41 62.04,33.86 62.04,34.56 62.38,34.9 U2.23 ; U9.19 74.68,125.87 v3(56.13,125.87) ; v3(30.8,18.49) 30.76,18.53 30.76,19.8 30.48,20.07 28.96,20.07 26.86,22.17 v3(26.1,22.17) ; U21.12 66.27,134.1 76.05,134.1 76.71,133.45 76.71,132.22 77.09,131.84 v3(78.87,131.84) ; v3(25.53,55.51) 24.76,56.27 24.76,56.66 24.38,57.04 22.48,57.04 22.15,56.71 15.44,56.71 11.3,60.85 v3(11.3,60.97) 8.89,63.39 J1.62 ; v3(19.3,43.96) 20.09,43.96 21.97,45.83 25.37,45.83 v3(25.84,46.3) ; J2.62 29.21,64.15 27.94,64.15 27.18,63.39 27.18,59.2 26.66,58.67 14.62,58.67 13.84,59.45 v3(13.84,59.7)
  Bottom w0.16: v3(11.3,60.97) 11.3,60.21 11.94,59.58 13.72,59.58 v3(13.84,59.7) ; v3(78.87,131.84) 76.71,129.68 U9.19 ; v3(34.42,17.79) 34.04,18.17 33.15,18.17 33.02,18.3 30.99,18.3 v3(30.8,18.49) 30.73,18.56 ; v3(56.13,125.87) 54.61,125.87 U10.27 51.56,125.87 40.2,125.87 39.75,125.43 39.75,123.77 38.04,122.06 36.26,122.06 34.23,120.03 34.23,115.96 32.51,114.25 28.09,114.25 27.71,113.87 27.71,68.66 28.57,67.79 28.57,65.8 J2.62 ; v3(48.32,25.22) 48.32,23.32 47.37,22.37 44.58,22.37 42.04,24.91 v3(42.04,25.16) ; v3(19.3,43.96) 19.3,42.05 17.4,40.15 17.4,28.08 22.86,22.61 25.66,22.61 v3(26.1,22.17) 26.16,22.11 ; v3(25.53,55.51) 26.31,54.73 26.31,46.75 26.29,46.75 v3(25.84,46.3)
